# Altium PCB BTN7971b.PcbDoc
Units mil, origin at the board's own origin, x right, y up, seen from the top; angles counter-clockwise.
Board outline 2500.43 x 1301.21 mil, 2 copper layers (Top Layer, Bottom Layer); 53 components, 37 nets, 155 pads, 425 vias.
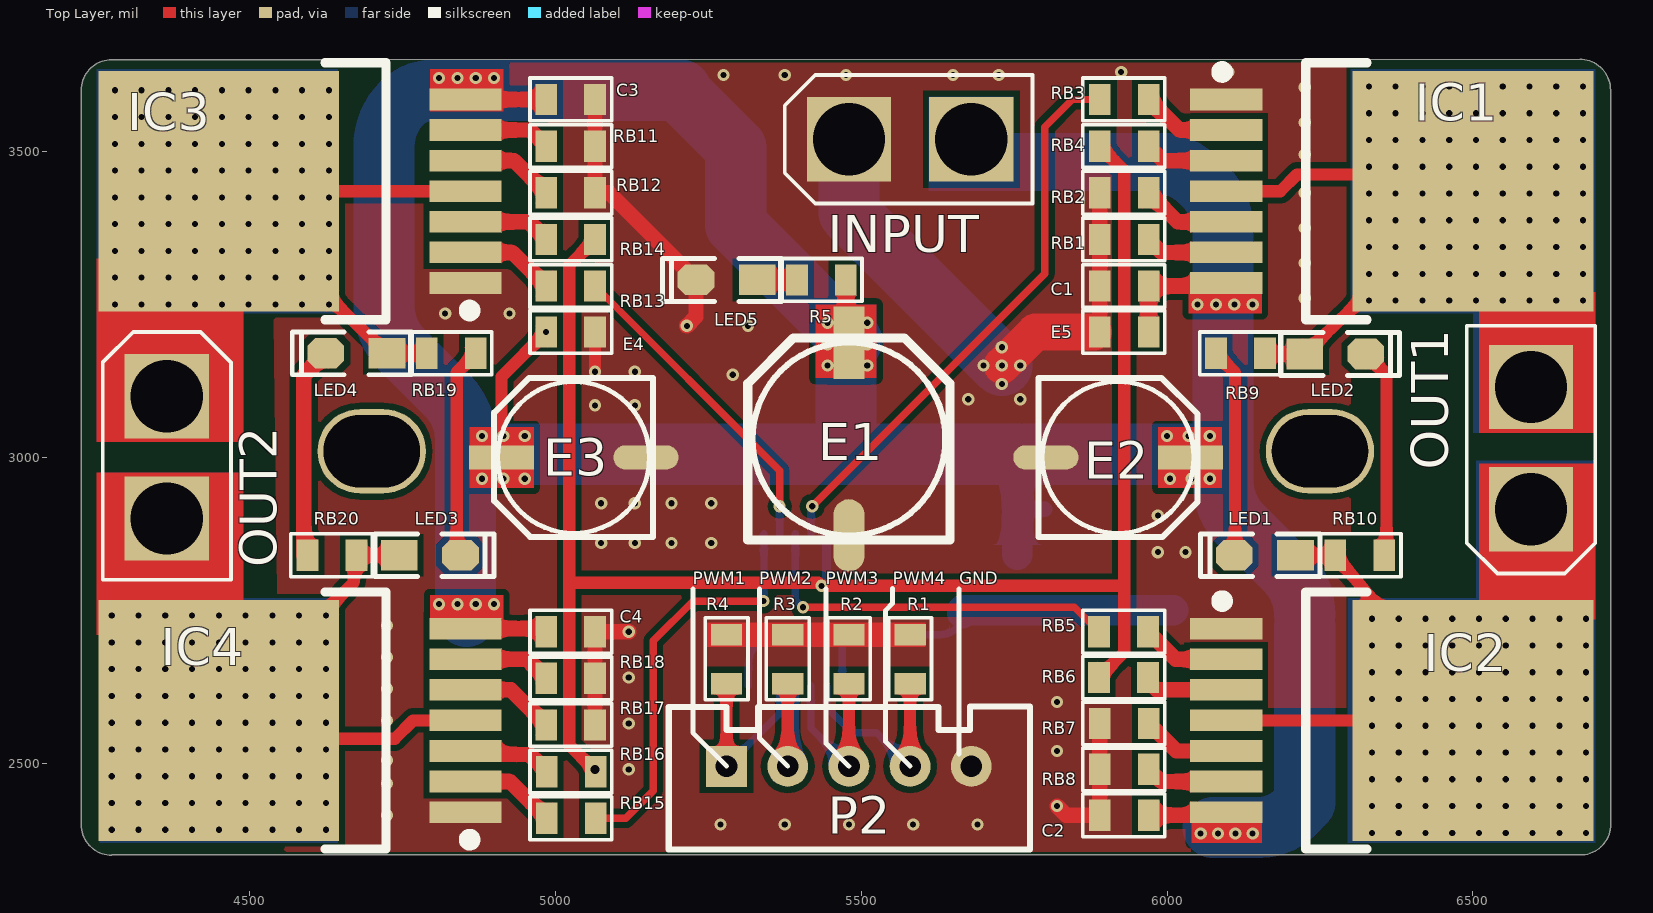
[diagram p0: Top Layer view]
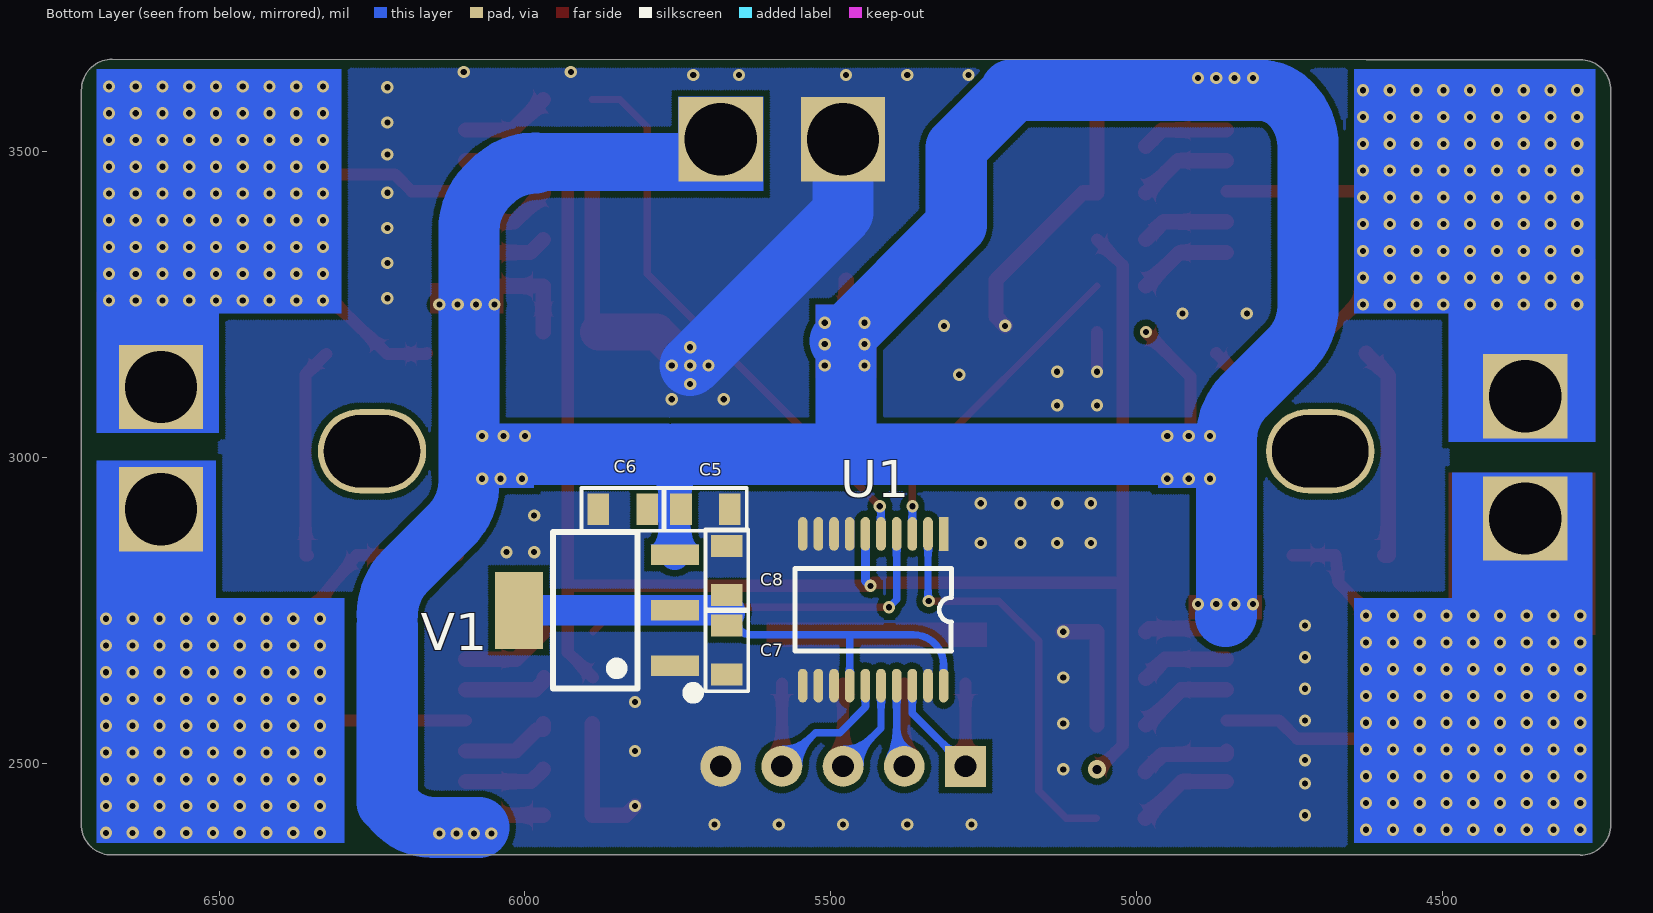
[diagram p1: Bottom Layer view, seen from below]
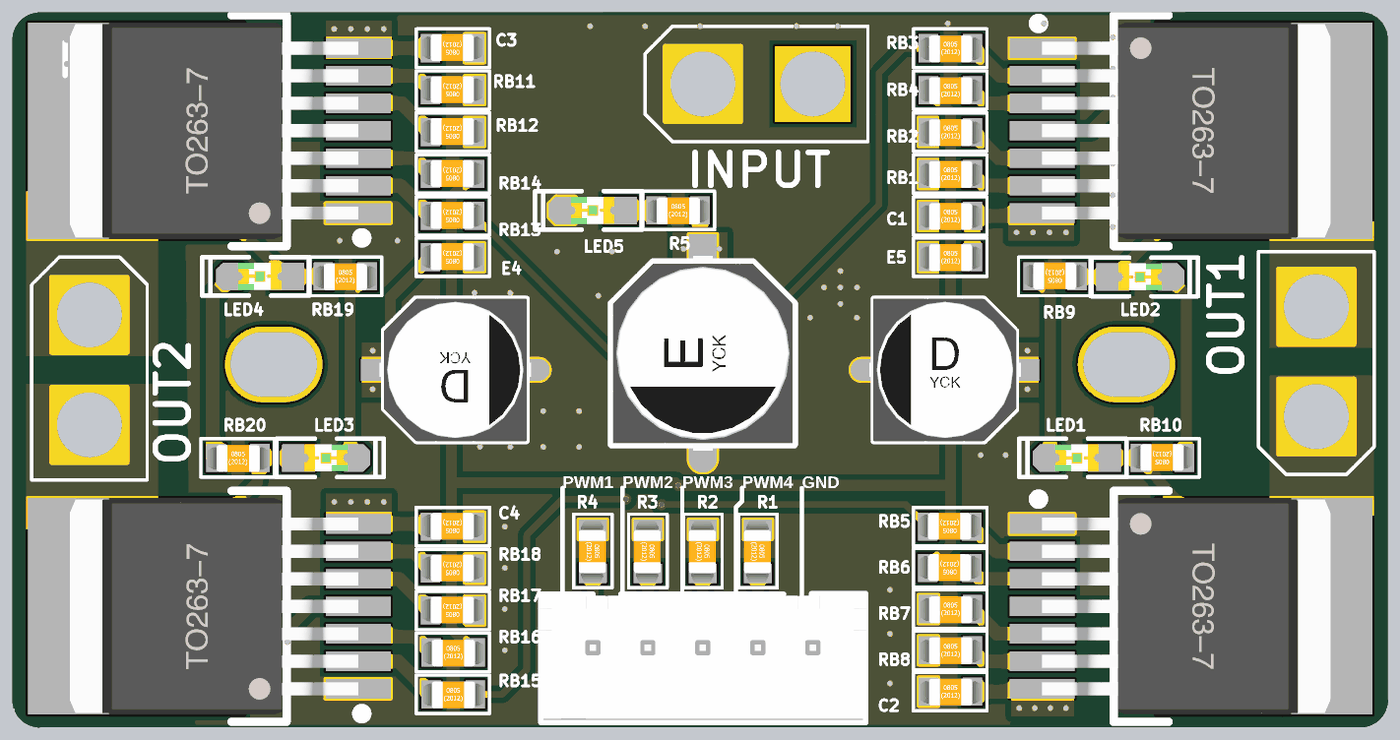
[diagram p2: 3D render of the assembled board from above, using the file's embedded part models]
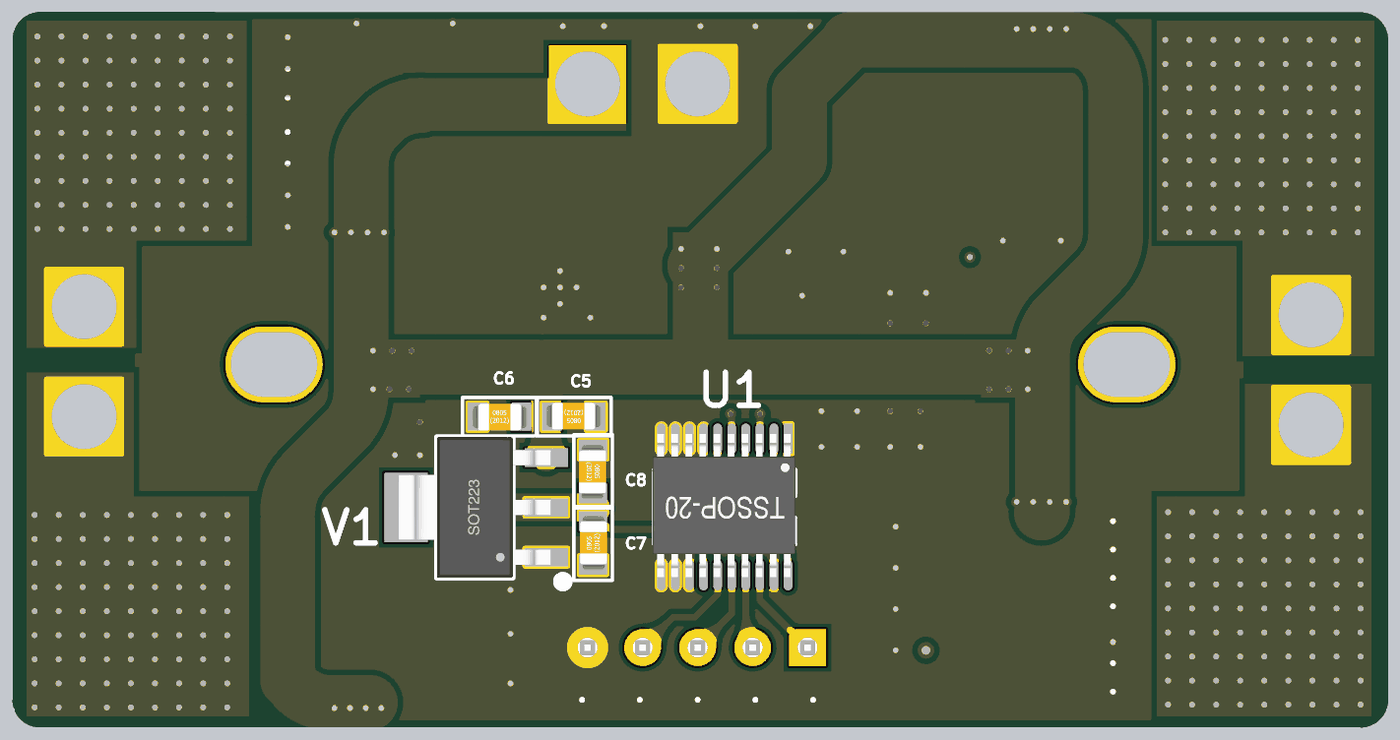
[diagram p3: 3D render of the assembled board from below, using the file's embedded part models]

## Layer stack, top to bottom
Top Solder: solder mask 0.4, Solder Resist, Dk 3.5
Top Layer: signal copper 1.4
Dielectric 1: dielectric 12.6, FR-4, Dk 4.8
Bottom Layer: signal copper 1.4
Bottom Solder: solder mask 0.4, Solder Resist, Dk 3.5

## Board outline
4225,2399.65 ccw(c4275,2399.65) 4275,2349.65 4275,2350 6675.43,2350 ccw(c6675.43,2400) 6725.43,2400 6725,2400 6725,3600.44 ccw(c6674.57,3600.44) 6674.57,3650.87 4625,3650 4275,3650 ccw(c4275,3600) 4225,3600

## Design rules (kind name [scope] priority, off if disabled: settings)
Clearance [All] p1: gap=10 ignorepadtopadclearanceinfootprint=TRUE except(0: Arc-Hole Track-Hole SMDPad-Hole THPad-Hole Via-Hole Fill-Hole Poly-Hole Region-Hole Text-Hole)
DiffPairsRouting [All] p1: maxlimit=10 minlimit=8 mostfreqgap=10 toplayer_minwidth=15 toplayer_maxwidth=15 toplayer_prefwidth=15 bottomlayer_minwidth=15 bottomlayer_maxwidth=15 bottomlayer_prefwidth=15 maxuncoupledlength=500
PlaneClearance [All] p1: clearance=30
PlaneConnect [All] p1: planeconnectstyle=Direct reliefexpansion=20 reliefentries=4 reliefconductorwidth=30 reliefairgap=20
PolygonConnect [All] p1: connectstyle=Direct reliefconductorwidth=30 reliefentries=4 polygonreliefangle="90 Angle" airgapwidth=20
RoutingVias [All] p1: holewidth=28 width=50 viastyle="Through Hole" minholewidth=28 minwidth=50 maxholewidth=28 maxwidth=50
SolderMaskExpansion [All] p1: expansion=4
Width [All] p1: maxlimit=120 minlimit=8 preferedwidth=10
27 further rules are at their usual default settings.

## Components (designator, comment, footprint, x,y, rotation, side; value= is the part's Value field where it differs from the comment)
C1 "0.1UF" "R/C 0805" 5735,3050 r0 top
C2 "0.1UF" "R/C 0805" 5735,2185 r0 top
C3 "0.1UF" "R/C 0805" 5220,3815 r180 top
C4 "0.1UF" "R/C 0805" 5220,2945 r180 top
C5 "22UF" "R/C 0805" 5510,3145 r0 bottom
C6 "0.1UF" "R/C 0805" 6035,2685 r180 bottom
C7 "10UF" "R/C 0805" 5440,2490 r90 bottom
C8 "0.1UF" "R/C 0805" 5900,3010 r270 bottom
E1 "470UF/16V" "CM E(8*10.2)" 5480,3030 r90 top
E2 "220UF/16V" "CM D(6.3*7.7)" 5920,3000 r0 top
E3 "220UF/16V" "CM D(6.3*7.7)" 5030,3000 r180 top
E4 "10UF" "R/C 0805" 5220,3435 r180 top
E5 "0.1UF" "R/C 0805" 5735,2975 r0 top
IC1 "BTS7970" TO263-7A 6510,3435 r270 top
IC2 "BTS7970" TO263-7A 6510,2570 r270 top
IC3 "BTS7970" TO263-7A 4440,3435 r90 top
IC4 "BTS7970" TO263-7A 4440,2570 r90 top
INPUT "POWER" XT30 5680,3520 r0 top (schematic designator INTPUT)
LED1 "红色" "LED 0805R" 6160,2840 r180 top
LED2 "红色" "LED 0805R" 6275,3169 r0 top
LED3 "红色" "LED 0805R" 4795,2840 r0 top
LED4 "红色" "LED 0805R" 4675,3170 r180 top
LED5 "红色" "LED 0805R" 5280,3290 r180 top
OUT1 "POWER" XT30 6595,3115 r90 top
OUT2 "POWER" XT30 4365,2900 r270 top
P2 "HDR-1X5" XH2.54-LI-5P 5480,2495 r0 top
R1 "10K" "R/C 0805" 5350,2865 r270 top
R2 "10K" "R/C 0805" 5250,2865 r270 top
R3 "10K" "R/C 0805" 5150,2865 r270 top
R4 "10K" "R/C 0805" 5050,2865 r270 top
R5 "4.7K" "R/C 0805" 5240,3060 r0 top
RB1 "470" "R/C 0805" 5735,3126.25 r0 top
RB2 "510" "R/C 0805" 5735,3202.5 r0 top
RB3 "4.7K" "R/C 0805" 5735,3355 r0 top
RB4 "4.7K" "R/C 0805" 5735,3278.75 r0 top
RB5 "4.7K" "R/C 0805" 6123.74,2945 r180 top
RB6 "4.7K" "R/C 0805" 6123.74,2870 r180 top
RB7 "510" "R/C 0805" 5735,2335 r0 top
RB8 "470" "R/C 0805" 5735,2260 r0 top
RB9 "10K" "R/C 0805" 6315,3400 r180 top
RB10 "1K" "R/C 0805" 6510,3070 r180 top
RB11 "470" "R/C 0805" 5220,3738.75 r180 top
RB12 "510" "R/C 0805" 5220,3662.5 r180 top
RB13 "4.7K" "R/C 0805" 5220,3510 r180 top
RB14 "4.7K" "R/C 0805" 5220,3586.25 r180 top
RB15 "4.7K" "R/C 0805" 4831.26,2180 r0 top
RB16 "4.7K" "R/C 0805" 4831.26,2256.25 r0 top
RB17 "510" "R/C 0805" 5220,2792.5 r180 top
RB18 "470" "R/C 0805" 5220,2868.75 r180 top
RB19 "RESISTER" "R/C 0805" 4635,2940 r0 top
RB20 "RESISTER" "R/C 0805" 4440,2610 r0 top
U1 "74LVC245" SOP-16 5290,2925 r270 bottom
V1 "AMS1117-3V3" SOT223_N 5885,2750 r90 bottom

## Footprints (in the part's own frame and the unit in brackets; to place one, negate y for a bottom-side part, rotate by r counter-clockwise, add the part's x,y. Pads: shape width x height; smd on the part's side, far side on the other; paste and mask are expansions set on the pad)
"CM D(6.3*7.7)" [mm] "贴片电解电容，直径6.3mm，高7.7mm"
  rect 2.7x1 smd: 1(3,0)
  oval 2.7x1 smd: 2(-3,0)
  silkscreen extent -3.3,-3.3 3.3,3.3, body extent -3.5,-3.3 3.5,3.3, height 7.7
"CM E(8*10.2)" [mm] "贴片电解电容，直径8mm，高10.2mm"
  rect 3x1.3 smd: 1(4,0)
  oval 3x1.3 smd: 2(-4,0)
  silkscreen extent -4.2,-4.2 4.2,4.2, body extent -4.5,-4.15 4.5,4.15, height 10.2
"LED 0805R" [mil] "红色0805LED"
  rect 60x50 smd: 1(-50,0)
  oct 60x50 smd: 2(50,0)
  silkscreen extent -90,-35 105,35, body extent -39,-25 39,25, height 32
"R/C 0805" [mil]
  rect 35.43x51.18 smd: 1(155,230) 2(235,230)
  silkscreen extent 127,195 261,265, body extent 140,204 250,254, height 32
SOP-16 [mm]
  rect 1.4x0.4 smd: 1(1.274,-0.651)
  oval 1.4x0.4 smd: 2(1.274,-1.301) 3(1.274,-1.951) 4(1.274,-2.601) 5(1.274,-3.251) 6(1.274,-3.901) 7(1.274,-4.551) 8(1.274,-5.201) 9(1.274,-5.851) 10(1.274,-6.501) 11(7.574,-6.501) 12(7.574,-5.851) 13(7.574,-5.201) 14(7.574,-4.551) 15(7.574,-3.901) 16(7.574,-3.251) 17(7.574,-2.601) 18(7.574,-1.951) 19(7.574,-1.301) 20(7.574,-0.651)
  silkscreen extent 2.71,-6.83 6.14,-0.33, body extent 1.06,-6.91 7.66,-0.31, height 1.15
SOT223_N [mm] "6.4x7x1.6mm(长宽高)"
  rect 0.85x2 smd: 1(-2.3,-3.302) 2(0,-3.302) 3(2.3,-3.302)
  rect 3.2x2 smd: 2(0,3.175)
  silkscreen extent -3.63,-4.26 3.25,1.75, body extent -3.25,-3.51 3.25,3.51, height 1.65
TO263-7A [mm] "263，7脚晶体管"
  rect 0.9x3 smd: 1(-3.81,-10.5) 2(-2.54,-10.5) 3(-1.27,-10.5) 4(0,-10.5) 5(1.27,-10.5) 6(2.54,-10.5) 7(3.81,-10.5)
  rect 10x10 smd: 4(0,-0.254)
  silkscreen extent -5.33,-10.87 5.33,-4.66, body extent -5,-10.51 5,2.82, height 4.4
XH2.54-LI-5P [mm] "接插件，5P"
  rect 1.7x1.7 hole 0.9: 1(-5.08,0)
  round 1.7 hole 0.9: 2(-2.54,0) 3(0,0) 4(2.54,0) 5(5.08,0)
  silkscreen extent -7.48,-3.45 7.52,2.49, body extent -7.58,-3.3 7.58,2.4, height 7.03
XT30 [mm]
  rect 3.5x3.5 hole 3: 1(-5.08,0) 2(0,0)
  silkscreen extent -7.75,-2.67 2.54,2.67

## Part data
C1 C2 C3 C4 C5 C6 C7 C8 E4 E5: library part CAP
E1 E2 E3: library part C-CM, "贴片电解电容"
IC1 IC2 IC3 IC4: "电机驱动芯片", BOM名称=电机驱动芯片, 学习资源=www.ooocke.com, 版权归属=源创客
INPUT OUT1 OUT2: library part "Header 2 L"
LED1 LED2 LED3 LED4 LED5: library part LED-SMD, "贴片LED", BOM名称=贴片LED, 学习资源=www.ooocke.com, 版权归属=源创客
P2: library part "Header 5", "5P接插件", BOM名称=5P接插件, 学习资源=www.ooocke.com, 版权归属=源创客
R1 R2 R3 R4 R5 RB1 RB2 RB3 RB4 RB5 RB6 RB7 RB8 RB9 RB10 RB11 RB12 RB13 RB14 RB15 RB16 RB17 RB18: library part RESISTER
V1: library part AMS1117, "三端稳压芯片", BOM名称=稳压芯片, 学习资源=www.ooocke.com, 版权归属=源创客

## Free pads (board coordinates)
  oval 177.17x137.8 hole 118.11 slot 157.48 at 0 deg: 1(4700,3010) 1(6250,3010)

## Via types
v1: diameter 20, hole 10, Top Layer to Bottom Layer, tented both sides, 424 vias
v2: diameter 30, hole 15, Top Layer to Bottom Layer, tented both sides, 1 vias

## Nets (pads, with @x,y where several pads share a name; then routed paths per layer and width w, separated by ;. In a path a pad name is that pad's centre, name@x,y a point inside that pad or via, vN(x,y) a via of type N, cw(c..) or ccw(c..) an arc to the next point about the centre after c; other vN are vias at no path point)
EN: RB4.1 RB6.2 RB14.1 RB16.2 U1.6 | length 2816.6
  Top Layer w20: RB14.1 5022.72,3313.97 5022.72,2800 ; RB16.2 5022.72,2529.79 5022.72,2800 ; RB6.2 5930,2681.26 5930,2800 ; RB4.1 5930,3468.75 5930,2800 ; 5022.72,2800 5027.72,2795 5430,2795 v1(5435,2790) 5925,2790 5930,2795 5930,2800
  Bottom Layer w15: v1(5435,2790) 5443.58,2798.58 U1.6
  Bottom Layer w20: v2@5065,2487.51 v2@5066.26,2486.25
  other v2: 5065,2490
GND: C1.1 C2.1 C3.1 C4.1 C5.1 C6.1 C7.1 C8.1 E1.2 E2.2 E3.2 E4.1 E5.1 IC1.1 IC2.1 IC3.1 IC4.1 INPUT.1 LED5.2 P2.5 R1.1 R2.1 R3.1 R4.1 RB1.1 RB2.1 RB7.1 RB8.1 RB11.1 RB12.1 RB17.1 RB18.1 U1.1 U1.7 U1.8 U1.9 U1.10 U1.11 U1.12 U1.13 U1.19 V1.1 | length 1840.3
  Top Layer w20: v1(5065,3140) E4.1
  Top Layer w25: RB17.1 RB18.1 C4.1 v1(5120,2715) ; C3.1 RB11.1 RB12.1 5087.5,3432.5 LED5.2 5230,3230 v1(5215,3215) ; v1(5820,2430) 5835,2415 C2.1 RB8.1 RB7.1 ; E5.1@5880,3205 E5.1 C1.1 RB1.1 RB2.1
  Top Layer w60: v1(5730,3150) 5785,3205 E5.1@5880,3205
  Bottom Layer w100: INPUT.1 5480,3400 v1(5730,3150)
  other v1: 5270,2400 5375,2400 5480,2400 5585,2400 5690,2400 4725,2415 4725,2466.67 5120,2490 4725,2505 5820,2520 5120,2565 4725,2570 5820,2600 4725,2621.67 5120,2640 4725,2673.33 4725,2725 5985,2845 6030,2845 5075,2860 5130,2860 5190,2860 5255,2860 5985,2905 5075,2925 5130,2925 5190,2925 5255,2925 5065,3085 5130,3085 5675,3095 5760,3095 5730,3120 5290,3135 5130,3140 5700,3150 5760,3150 5730,3180 5315,3215 4820,3235 4925,3235 6225,3260 6225,3317.5 6225,3375 6225,3432.5 6225,3495 6225,3547.5 6225,3605 5275,3625 5375,3625 5475,3625 5650,3625 5725,3625 5925,3630 6100,3630
NetIC1_2: IC1.2 RB3.2 | length 147.3
  Top Layer w25: RB3.2 6020,3535 IC1.2
NetIC1_3: IC1.3 RB4.2 | length 136.5
  Top Layer w25: RB4.2 5993.75,3485 IC1.3
NetIC1_4: IC1.4 LED2.1 OUT1.2 RB9.1 | length 874.2
  Top Layer w20: IC1.4@6096.61,3435 6185.07,3435 6212.57,3462.5 6472.5,3462.5 6500,3435 LED2.1 6161,3169 RB9.1
  other v1: 6330,3256.25 6373.75,3256.25 6417.5,3256.25 6461.25,3256.25 6505,3256.25 6548.75,3256.25 6592.5,3256.25 6636.25,3256.25 6680,3256.25 6330,3300 6373.75,3300 6417.5,3300 6461.25,3300 6505,3300 6548.75,3300 6592.5,3300 6636.25,3300 6680,3300 6330,3343.75 6373.75,3343.75 6417.5,3343.75 6461.25,3343.75 6505,3343.75 6548.75,3343.75 6592.5,3343.75 6636.25,3343.75 6680,3343.75 6330,3387.5 6373.75,3387.5 6417.5,3387.5 6461.25,3387.5 6505,3387.5 6548.75,3387.5 6592.5,3387.5 6636.25,3387.5 6680,3387.5 6330,3431.25 6373.75,3431.25 6417.5,3431.25 6461.25,3431.25 6505,3431.25 6548.75,3431.25 6592.5,3431.25 6636.25,3431.25 6680,3431.25 6330,3475 6373.75,3475 6417.5,3475 6461.25,3475 6505,3475 6548.75,3475 6592.5,3475 6636.25,3475 6680,3475 6330,3518.75 6373.75,3518.75 6417.5,3518.75 6461.25,3518.75 6505,3518.75 6548.75,3518.75 6592.5,3518.75 6636.25,3518.75 6680,3518.75 6330,3562.5 6373.75,3562.5 6417.5,3562.5 6461.25,3562.5 6505,3562.5 6548.75,3562.5 6592.5,3562.5 6636.25,3562.5 6680,3562.5 6330,3606.25 6373.75,3606.25 6417.5,3606.25 6461.25,3606.25 6505,3606.25 6548.75,3606.25 6592.5,3606.25 6636.25,3606.25 6680,3606.25
NetIC1_5: IC1.5 RB2.2 | length 146.3
  Top Layer w25: RB2.2 6017.5,3385 IC1.5
NetIC1_6: IC1.6 RB1.2 | length 135.4
  Top Layer w25: RB1.2 5991.25,3335 IC1.6
NetIC2_2: IC2.2 RB5.1 | length 146.5
  Top Layer w25: RB5.1 5968.87,2715 6013.87,2670 IC2.2
NetIC2_3: IC2.3 RB6.1 | length 139.4
  Top Layer w25: RB6.1 5968.74,2634.54 5983.28,2620 IC2.3
NetIC2_4: IC2.4 LED1.1 OUT1.1 RB10.2 | length 819.8
  Top Layer w20: IC2.4@6096.61,2570 6500,2570 RB10.2 LED1.1
  other v1: 6335,2386.25 6378.75,2386.25 6422.5,2386.25 6466.25,2386.25 6510,2386.25 6553.75,2386.25 6597.5,2386.25 6641.25,2386.25 6685,2386.25 6335,2430 6378.75,2430 6422.5,2430 6466.25,2430 6510,2430 6553.75,2430 6597.5,2430 6641.25,2430 6685,2430 6335,2473.75 6378.75,2473.75 6422.5,2473.75 6466.25,2473.75 6510,2473.75 6553.75,2473.75 6597.5,2473.75 6641.25,2473.75 6685,2473.75 6335,2517.5 6378.75,2517.5 6422.5,2517.5 6466.25,2517.5 6510,2517.5 6553.75,2517.5 6597.5,2517.5 6641.25,2517.5 6685,2517.5 6335,2561.25 6378.75,2561.25 6422.5,2561.25 6466.25,2561.25 6510,2561.25 6553.75,2561.25 6597.5,2561.25 6641.25,2561.25 6685,2561.25 6335,2605 6378.75,2605 6422.5,2605 6466.25,2605 6510,2605 6553.75,2605 6597.5,2605 6641.25,2605 6685,2605 6335,2648.75 6378.75,2648.75 6422.5,2648.75 6466.25,2648.75 6510,2648.75 6553.75,2648.75 6597.5,2648.75 6641.25,2648.75 6685,2648.75 6335,2692.5 6378.75,2692.5 6422.5,2692.5 6466.25,2692.5 6510,2692.5 6553.75,2692.5 6597.5,2692.5 6641.25,2692.5 6685,2692.5 6335,2736.25 6378.75,2736.25 6422.5,2736.25 6466.25,2736.25 6510,2736.25 6553.75,2736.25 6597.5,2736.25 6641.25,2736.25 6685,2736.25
NetIC2_5: IC2.5 RB7.2 | length 151.2
  Top Layer w25: RB7.2 5970,2555 5980.13,2555 6010.22,2524.91 6010.22,2524.84 6015.06,2520 IC2.5
NetIC2_6: IC2.6 RB8.2 | length 134.9
  Top Layer w25: RB8.2 5990,2470 IC2.6
NetIC3_2: IC3.2 RB13.2 | length 154.4
  Top Layer w25: IC3.2 4930,3335 RB13.2
NetIC3_3: IC3.3 RB14.2 | length 143.5
  Top Layer w25: IC3.3 4956.25,3385 RB14.2
NetIC3_4: IC3.4 LED4.1 OUT2.1 RB19.1 | length 850.3
  Top Layer w20: RB19.1 LED4.1 4450,3435 IC3.4@4853.39,3435
  other v1: 4280,3250 4323.75,3250 4367.5,3250 4411.25,3250 4455,3250 4498.75,3250 4542.5,3250 4586.25,3250 4630,3250 4280,3293.75 4323.75,3293.75 4367.5,3293.75 4411.25,3293.75 4455,3293.75 4498.75,3293.75 4542.5,3293.75 4586.25,3293.75 4630,3293.75 4280,3337.5 4323.75,3337.5 4367.5,3337.5 4411.25,3337.5 4455,3337.5 4498.75,3337.5 4542.5,3337.5 4586.25,3337.5 4630,3337.5 4280,3381.25 4323.75,3381.25 4367.5,3381.25 4411.25,3381.25 4455,3381.25 4498.75,3381.25 4542.5,3381.25 4586.25,3381.25 4630,3381.25 4280,3425 4323.75,3425 4367.5,3425 4411.25,3425 4455,3425 4498.75,3425 4542.5,3425 4586.25,3425 4630,3425 4280,3468.75 4323.75,3468.75 4367.5,3468.75 4411.25,3468.75 4455,3468.75 4498.75,3468.75 4542.5,3468.75 4586.25,3468.75 4630,3468.75 4280,3512.5 4323.75,3512.5 4367.5,3512.5 4411.25,3512.5 4455,3512.5 4498.75,3512.5 4542.5,3512.5 4586.25,3512.5 4630,3512.5 4280,3556.25 4323.75,3556.25 4367.5,3556.25 4411.25,3556.25 4455,3556.25 4498.75,3556.25 4542.5,3556.25 4586.25,3556.25 4630,3556.25 4280,3600 4323.75,3600 4367.5,3600 4411.25,3600 4455,3600 4498.75,3600 4542.5,3600 4586.25,3600 4630,3600
NetIC3_5: IC3.5 RB12.2 | length 153.4
  Top Layer w25: IC3.5 4932.5,3485 RB12.2
NetIC3_6: IC3.6 RB11.2 | length 142.5
  Top Layer w25: IC3.6 4958.75,3535 RB11.2
NetIC4_2: IC4.2 RB15.1 | length 157.7
  Top Layer w25: IC4.2 4926.26,2470 RB15.1
NetIC4_3: IC4.3 RB16.1 | length 150.1
  Top Layer w25: IC4.3 4853.39,2514.41 4958.1,2514.41 RB16.1
NetIC4_4: IC4.4 LED3.1 OUT2.2 RB20.2 | length 858.2
  Top Layer w20: LED3.1 RB20.2 4670,2795 4450,2570 4480,2540 4737.43,2540 4767.43,2570 IC4.4@4853.39,2570
  other v1: 4275,2391.25 4318.75,2391.25 4362.5,2391.25 4406.25,2391.25 4450,2391.25 4493.75,2391.25 4537.5,2391.25 4581.25,2391.25 4625,2391.25 4275,2435 4318.75,2435 4362.5,2435 4406.25,2435 4450,2435 4493.75,2435 4537.5,2435 4581.25,2435 4625,2435 4275,2478.75 4318.75,2478.75 4362.5,2478.75 4406.25,2478.75 4450,2478.75 4493.75,2478.75 4537.5,2478.75 4581.25,2478.75 4625,2478.75 4275,2522.5 4318.75,2522.5 4362.5,2522.5 4406.25,2522.5 4450,2522.5 4493.75,2522.5 4537.5,2522.5 4581.25,2522.5 4625,2522.5 4275,2566.25 4318.75,2566.25 4362.5,2566.25 4406.25,2566.25 4450,2566.25 4493.75,2566.25 4537.5,2566.25 4581.25,2566.25 4625,2566.25 4275,2610 4318.75,2610 4362.5,2610 4406.25,2610 4450,2610 4493.75,2610 4537.5,2610 4581.25,2610 4625,2610 4275,2653.75 4318.75,2653.75 4362.5,2653.75 4406.25,2653.75 4450,2653.75 4493.75,2653.75 4537.5,2653.75 4581.25,2653.75 4625,2653.75 4275,2697.5 4318.75,2697.5 4362.5,2697.5 4406.25,2697.5 4450,2697.5 4493.75,2697.5 4537.5,2697.5 4581.25,2697.5 4625,2697.5 4275,2741.25 4318.75,2741.25 4362.5,2741.25 4406.25,2741.25 4450,2741.25 4493.75,2741.25 4537.5,2741.25 4581.25,2741.25 4625,2741.25
NetIC4_5: IC4.5 RB17.2 | length 155.4
  Top Layer w25: IC4.5 4927.5,2620 RB17.2
NetIC4_6: IC4.6 RB18.2 | length 144.6
  Top Layer w25: IC4.6 4953.75,2670 RB18.2
NetLED1_2: LED1.2 RB9.2 | length 343.5
  Top Layer w20: RB9.2 6111.26,3138.74 6111.26,2841.26 LED1.2
NetLED2_2: LED2.2 RB10.1 | length 346.5
  Top Layer w20: LED2.2 6358.58,3135.42 6358.58,2840 RB10.1
NetLED3_2: LED3.2 RB19.2 | length 349.2
  Top Layer w20: LED3.2 4838.74,2840 4838.74,3138.74 RB19.2
NetLED4_2: LED4.2 RB20.1 | length 351
  Top Layer w25: RB20.1 4588.92,2840 4588.92,3133.92 LED4.2
NetLED5_1: LED5.1 R5.1 | length 65
  Top Layer w25: LED5.1 R5.1
PWM-0UT1: RB3.1 U1.5 | length 931.7
  Top Layer w12: v1(5420,2920) 5800,3300 5800,3540 5845,3585 RB3.1
  Bottom Layer w12: U1.5 5417.99,2911.76 ccw(c5413.14,2916.6) 5420,2916.6 v1(5420,2920)
PWM-0UT2: RB5.2 U1.4 | length 625.4
  Top Layer w12: v1(5405,2755) 5848.74,2755 RB5.2
  Bottom Layer w12: U1.4 5392.4,2767.6 v1(5405,2755)
PWM-0UT3: RB13.1 U1.3 | length 530.2
  Top Layer w12: RB13.1 5366.67,2978.33 v1(5366.67,2920)
  Bottom Layer w12: v1(5366.67,2920) 5366.67,2874.99 U1.3
PWM-0UT4: RB15.2 U1.2 | length 677.1
  Top Layer w12: RB15.2 5115,2410 5160,2455 5160,2700 5225,2765 v1(5340,2765)
  Bottom Layer w12: U1.2@5339.5,2873.13 U1.2 5341.22,2766.22 v1(5340,2765)
PWM-IN1: P2.1 R4.2 U1.18 | length 309.8
  Top Layer w20: P2.1 R4.2
  Top Layer w25: P2.1 P2.1@5285,2500
  Bottom Layer w12: P2.1 5366.81,2581.81 U1.18
PWM-IN2: P2.2 R3.2 U1.17 | length 276.7
  Top Layer w20: P2.2 R3.2
  Top Layer w25: P2.2 P2.2@5383.33,2498.33
  Bottom Layer w12: P2.2 5392.4,2507.4 U1.17
PWM-IN3: P2.3 R2.2 U1.16 | length 294.9
  Top Layer w20: P2.3 R2.2
  Top Layer w25: P2.3 P2.3@5481.67,2496.67
  Bottom Layer w12: U1.16 5417.99,2557.01 P2.3
PWM-IN4: P2.4 R1.2 U1.15 | length 346.7
  Top Layer w20: P2.4 R1.2
  Bottom Layer w12: U1.15 5443.58,2591.42 5485,2550 5525,2550 P2.4
VCC: C1.2 C2.2 C3.2 C4.2 C5.2 C6.2 E1.1 E2.1 E3.1 E4.2 E5.2 IC1.7 IC2.7 IC3.7 IC4.7 INPUT.2 R5.2 V1.3 | length 5583.8
  Top Layer w20: E3.1 4911.89,3131.89 v1(4985,3205)
  Top Layer w25: IC4.7 4980,2720 C4.2 ; IC3.7 C3.2 ; R5.2 5475,3192.48 E1.1 ; C2.2 IC2.7@6091.61,2415 ; E5.2 C1.2 6091.61,3280 IC1.7
  Bottom Layer w25: C5.2 5755,2915 C6.2
  Bottom Layer w50: V1.3 5755,2915 5755,3005 5770,3005
  Bottom Layer w100: 4855,2740 cw(c4858.9,2743.9) 4853.39,2743.9 4853.39,3005 ; 5485,3190 5295,3380 5295,3506.01 5205,3596.01 5205,3600 4799.29,3600 ccw(c4799.29,3529.29) 4749.29,3579.29 ccw(c4820,3508.58) 4720,3508.58 4720,3246.42 ccw(c4820,3246.42) 4749.29,3175.71 4824.1,3100.9 cw(c4753.39,3030.19) 4853.39,3030.19 4853.39,3005 ; 5755,3005 4853.39,3005 ; 5770,3005 6091.61,3005 ; 5982.52,3481.06 cw(c5982.52,3381.06) 6053.23,3451.77 6062.32,3442.68 cw(c5991.61,3371.96) 6091.61,3371.96 6091.61,3005 ; 6075,2395 6149.64,2395 ccw(c6149.64,2480.36) 6210,2420 ccw(c6173.79,2456.21) 6225,2456.21 ; 6225,2436.21 6225,2723.58 ; 6225,2743.58 ccw(c6125,2743.58) 6195.71,2814.29 6120.9,2889.1 cw(c6191.61,2959.81) 6091.61,2959.81 6091.61,3005
  other v1: 6055,2385 6083.33,2385 6111.67,2385 6140,2385 4810,2760 4840,2760 4870,2760 4900,2760 4880,2965 4915,2965 4950,2965 6005,2965 6040,2965 6070,2965 4880,3035 4915,3035 4950,3035 6000,3035 6035,3035 6070,3035 5445,3150 5510,3150 5445,3185 5510,3185 5445,3220 5510,3220 6050,3250 6080,3250 6110,3250 6140,3250 4810,3620 4840,3620 4870,3620 4900,3620
VCC-5V: C7.2 C8.2 U1.14 U1.20 V1.2 | length 865
  Bottom Layer w12: U1.20 5315.63,2660.63 cw(c5365,2660.63) 5365,2710 5470,2710 ; U1.14 5469.17,2709.17 cw(c5470,2709.17) 5470,2710 ; 5665,2745 cw(c5630,2745) 5630,2710 5470,2710
  Bottom Layer w50: 5665,2745 5665,2750 5755,2750 V1.2@6010,2750

## Polygon pours and split planes (outlines as drawn)
GND on Bottom Layer "NONET_L-01_P-001" (hatched 90Degree grid 4 track 5, remove dead copper, pour order 49): 4490,2365 6510,2365 6500,2375 6500,3635 4490,3635
GND on Top Layer "NONET_L-01_P-001" (solid, remove dead copper, pour order 53): 4550,2365 4560,2355 6300,2355 6300,3630 6285,3645 4535,3645

## Other copper
Top Layer:
  region net GND: 5605,2730 5245,2730 5245,2690 5605,2690
  rectangle net VCC: 5985,2950 6090,3050
  rectangle net VCC: 4860,2950 4965,3050
  rectangle net VCC: 6040,2370 6155,2405
  rectangle net VCC: 6035,3235 6155,3285
  rectangle net VCC: 4795,2735 4915,2775
  rectangle net VCC: 4795,3565 4915,3635
  rectangle net VCC: 5425,3130 5525,3250
  rectangle net NetIC1_4: 6510,3040 6700,3270
  rectangle net NetIC2_4: 6510,2735 6700,2990
  rectangle net NetIC4_4: 4250,2710 4490,2975
  rectangle net NetIC3_4: 4250,3025 4490,3325
Bottom Layer:
  rectangle net VCC: 5615,3435 6005,3530
  rectangle net VCC: 5985,2950 6080,3050
  rectangle net VCC: 4880,2950 4965,3050
  rectangle net VCC: 5425,2960 5525,3250
  rectangle net NetIC3_4: 4250,3235 4645,3635
  rectangle net NetIC3_4: 4250,3025 4490,3635
  rectangle net NetIC4_4: 4255,2370 4645,2770
  rectangle net NetIC4_4: 4255,2370 4485,2975
  rectangle net NetIC2_4: 6295,2370 6700,2770
  rectangle net NetIC2_4: 6505,2370 6700,2995
  rectangle net NetIC1_4: 6500,3040 6700,3635
  rectangle net NetIC1_4: 6300,3235 6700,3635
  rectangle net VCC: 5610,3435 5750,3590

## Silkscreen, mask and mechanical layers (free items; w line width, h text height)
Top Overlay:
  lines w7.87: 5225,2785.29 5225,2550 5280,2495 ; 5333.75,2785.29 5333.75,2541.25 5380,2495 ; 5442.5,2785.29 5442.5,2532.5 5480,2495 ; 5551.25,2785.42 5551.25,2761.25 5540,2750 5540,2535 5580,2495 ; 5660,2515 5660,2785
  text "PWM1" at 5225,2785.29 h35
  text "PWM2" at 5333.75,2785.29 h35
  text "PWM3" at 5442.5,2785.29 h35
  text "PWM4" at 5551.25,2785.42 h35
  text "GND" at 5660,2785 h35
Mechanical 1:
  lines w3.94: 4275,2349.65 cw(c4275,2399.65) 4225,2399.65 4225,3600 cw(c4275,3600) 4275,3650 4625,3650 6674.57,3650.87 cw(c6674.57,3600.44) 6725,3600.44 6725,3600 6725,2400 6725.43,2400 cw(c6675.43,2400) 6675.43,2350 6575,2350 6555,2350 4275,2350